# Altium PCB PCB_v2.PcbDoc (part 2 of 8) (continued)
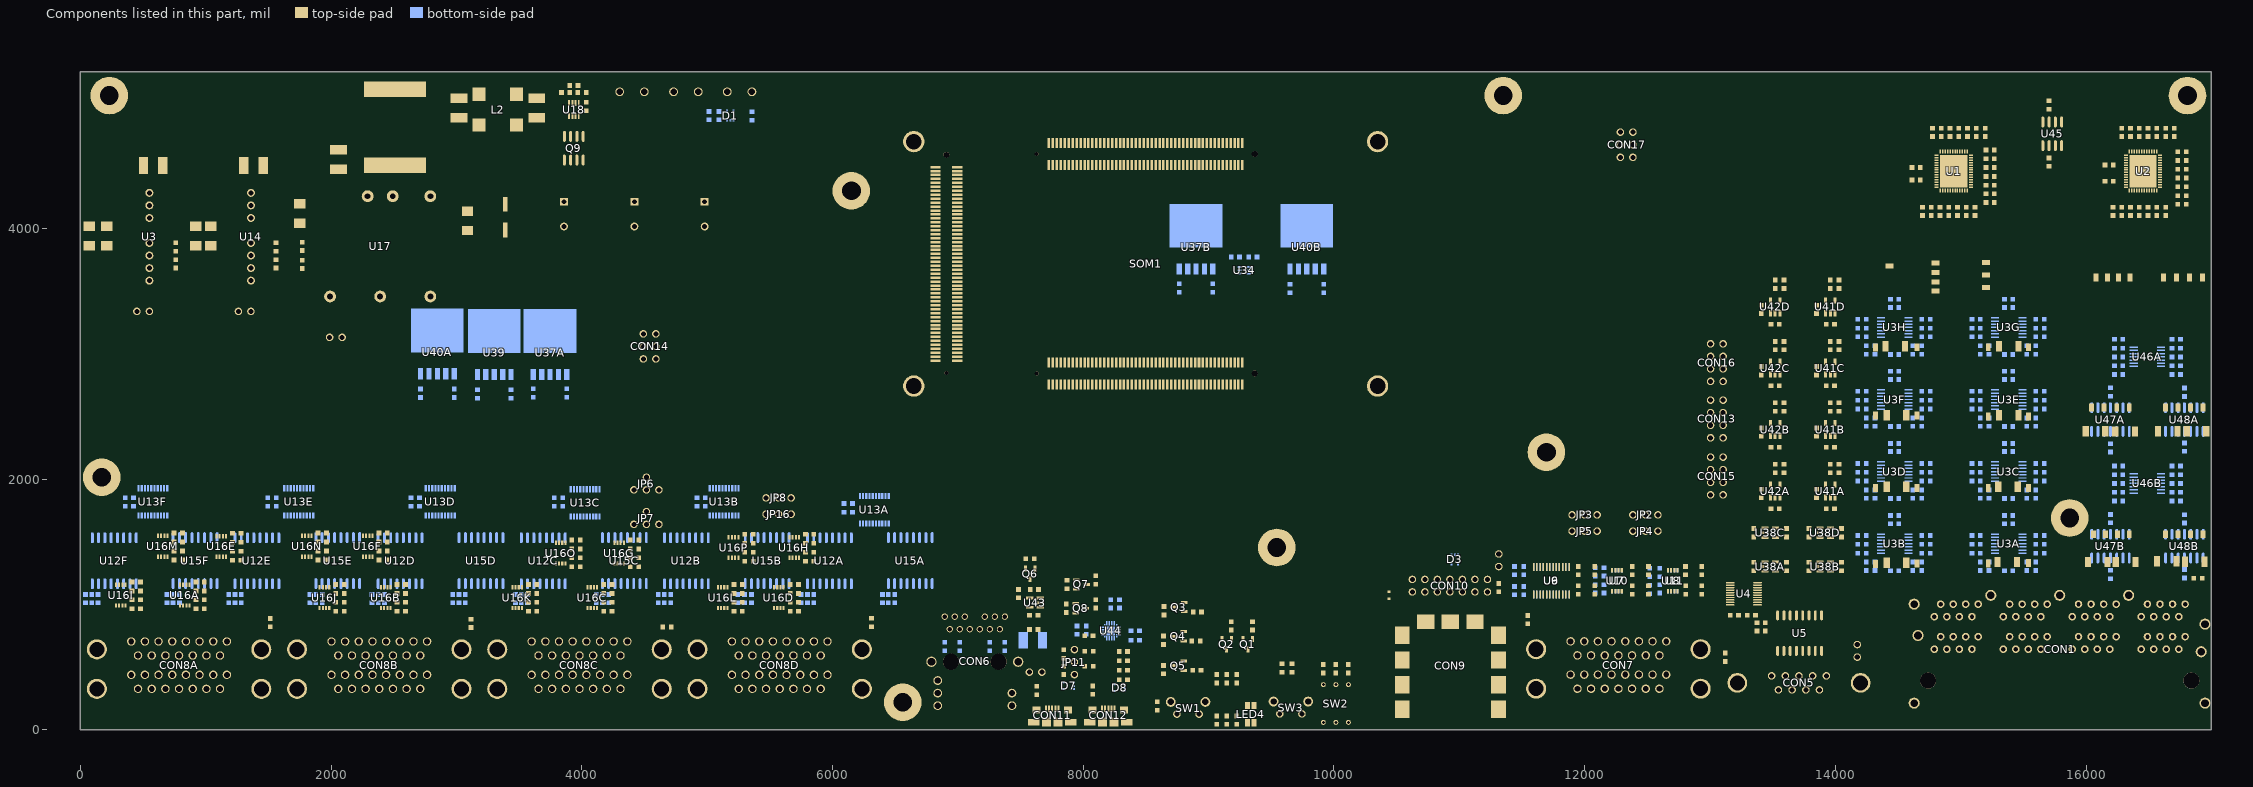
[diagram p4: the components of this part, seen from the top]
## Part data (continued)
CON11 CON12: "CONN RCPT MICRO USB TYPE AB", Colour=Grey, Contact Current Rating=1.8A, Current Rating=1A, Manufacturer="TE Connectivity", Max Operating Temperature=85°C, Min Operating Temperature=-30°C, Package Quantity=1000, Supplier Part Number 1=A97799TR-ND, Voltage Rating=30V, Circuit Application=Power, ComponentLink1Description=https://datasheet.ciiva.com/851/eng-cd-1981584-d1-851065.pdf, ComponentLink1URL=https://datasheet.ciiva.com/851/eng-cd-1981584-d1-851065.pdf, ComponentLink2Description=https://datasheet.ciiva.com/16668/eng-cs-1654270-2-0807-16668551.pdf, ComponentLink2URL=https://datasheet.ciiva.com/16668/eng-cs-1654270-2-0807-16668551.pdf, ComponentLink3Description=https://datasheet.ciiva.com/16312/1981584-1-16312312.pdf, ComponentLink3URL=https://datasheet.ciiva.com/16312/1981584-1-16312312.pdf, ComponentLink4Description=https://datasheet.ciiva.com/30225/eng-cs-1654270-2-0807-30225288.pdf, ComponentLink4URL=https://datasheet.ciiva.com/30225/eng-cs-1654270-2-0807-30225288.pdf, ComponentLink5Description=https://datasheet.ciiva.com/11731/0900766b80d7c578-11731289.pdf, ComponentLink5URL=https://datasheet.ciiva.com/11731/0900766b80d7c578-11731289.pdf, ComponentLink6Description=https://datasheet.ciiva.com/851/eng-cd-1981584-d2-851067.pdf, ComponentLink6URL=https://datasheet.ciiva.com/851/eng-cd-1981584-d2-851067.pdf, ComponentLink7Description=https://datasheet.ciiva.com/3094/eng-cs-1654270-2-0807-3094860.pdf, ComponentLink7URL=https://datasheet.ciiva.com/3094/eng-cs-1654270-2-0807-3094860.pdf, ComponentLink8Description=https://datasheet.ciiva.com/1098/1650952-1098190.pdf, ComponentLink8URL=https://datasheet.ciiva.com/1098/1650952-1098190.pdf, Connector System=Cable-to-Board, Connector Type=Receptacle, Contact Material="Copper,Gold,Copper Alloy", Contact Plating=Gold, Depth=5.6mm, ELV=Compliant, Gender=Receptacle, Housing Colour=Grey, Housing Material=Thermoplastic, Lead Free="Lead Free", Length=8.8mm, Manufacturer Part Number=1981584-1, Material="Stainless Steel", Mount="Surface Mount,Horizontal", Number of Contacts=5, Number of Ports=1, Number of Positions=5, Number of Terminals=5, Orientation="Right Angle", Packaging="Tape and Reel", Pitch=0.025inch, Plating=Nickel,Tin, Pricing 2="1=1.8, 10=1.636, 25=1.5364, 50=1.4694, 100=1.4026, 250=1.26904, 500=1.16886 (USD)", Radiation Hardening=No, REACH SVHC="No SVHC", Supplier 1=Digi-Key, Supplier 2=Digi-Key, Supplier Part Number 2=A97799DKR-ND, Termination=SMD/SMT, USB Standard="USB 2.0"
  CON11: Stock 2=5645
  CON12: Stock 2=4943
CON13 CON15 CON16: Colour=Black, Current Rating=3A, Insulation Resistance=5GR, Manufacturer="Amphenol FCI", Manufacturer Part Number=67996-408HLF, Max Operating Temperature=125°C, Max Voltage Rating (AC)=1.5kV, Min Operating Temperature=-65°C, Package Quantity=100, Supplier Part Number 1=609-3391-ND, ComponentLink1Description=https://datasheet.ciiva.com/16726/67996-16726282.pdf, ComponentLink1URL=https://datasheet.ciiva.com/16726/67996-16726282.pdf, ComponentLink2Description=https://datasheet.ciiva.com/720/67996-720731.pdf, ComponentLink2URL=https://datasheet.ciiva.com/720/67996-720731.pdf, Connector Type="Male Pin", Contact Gender=Male, Contact Material=Bronze, Contact Mating Length=0.23inch, Contact Plating=Tin, Depth=4.83mm, Gender=Male, Housing Colour=Black, Housing Material=Thermoplastic, Lead Free="Lead Free", Length=10.16mm, Mating Post Length=5.84mm, Mount="Through Hole", Number of Contacts=8, Number of Positions=8, Number of Rows=2, Orientation=Straight, Packaging=Bulk, Pitch=2.54mm, Pricing 1="1=0.34, 10=0.323, 100=0.2264, 500=0.19404, 1000=0.1617, 5000=0.1386, 10000=0.12936 (USD)", Radiation Hardening=No, Row Spacing=0.1inch, Stock 1=2766, Supplier 1=Digi-Key, Termination=Solder, Termination Post Length=2.41mm, Voltage Rating=1.5kV
CON14 CON17: Colour=Black, Current Rating=3A, Insulation Resistance=5GR, Manufacturer="Amphenol FCI", Manufacturer Part Number=67996-406HLF, Max Operating Temperature=125°C, Max Voltage Rating (AC)=1.5kV, Min Operating Temperature=-65°C, Package Quantity=100, Supplier Part Number 1=609-3218-ND, ComponentLink1Description=https://datasheet.ciiva.com/14639/70236872-14639895.pdf, ComponentLink1URL=https://datasheet.ciiva.com/14639/70236872-14639895.pdf, ComponentLink2Description=https://datasheet.ciiva.com/16726/67996-16726281.pdf, ComponentLink2URL=https://datasheet.ciiva.com/16726/67996-16726281.pdf, ComponentLink3Description=https://datasheet.ciiva.com/3205/67996-3205613.pdf, ComponentLink3URL=https://datasheet.ciiva.com/3205/67996-3205613.pdf, ComponentLink4Description=https://datasheet.ciiva.com/46393/1876884-46393070.pdf, ComponentLink4URL=https://datasheet.ciiva.com/46393/1876884-46393070.pdf, ComponentLink5Description=https://datasheet.ciiva.com/728/67996-728895.pdf, ComponentLink5URL=https://datasheet.ciiva.com/728/67996-728895.pdf, Connector Type="Male Pin", Contact Gender=Male, Contact Material=Bronze, Contact Mating Length=0.23inch, Contact Plating=Tin, Depth=4.83mm, Gender=Male, Housing Colour=Black, Housing Material=Thermoplastic, Length=7.62mm, Mating Post Length=5.84mm, Mount="Through Hole", Number of Contacts=6, Number of Positions=6, Number of Rows=2, Orientation=Straight, Packaging=Bulk, Pitch=2.54mm, Pricing 1="1=0.29, 10=0.271, 100=0.1894, 500=0.16234, 1000=0.13528, 5000=0.11595, 10000=0.10822 (USD)", Radiation Hardening=No, REACH SVHC="No SVHC", Row Spacing=0.1inch, Stock 1=32999, Supplier 1=Digi-Key, Termination=Solder, Termination Post Length=2.41mm, Voltage Rating=1.5kV
D1: "TVS DIODE 5.5V 13V SC70-5", Supplier Part Number 1=F2895TR-ND, Supplier 1=Digi-Key
D2: "DIODE SCHOTTKY 30V 200MA SOD523", Average Rectified Current=200mA, Case/Package=SOD-523-2, Forward Voltage=500mV, Manufacturer="ON Semiconductor", Manufacturer Part Number=RB521S30T1G, Max Forward Surge Current (Ifsm)=1A, Max Operating Temperature=125°C, Max Repetitive Reverse Voltage (Vrrm)=30V, Max Reverse Leakage Current=30uA, Min Operating Temperature=-55°C, Package Quantity=1, Power Dissipation=200mW, Supplier Part Number 1=RB521S30T1GOSTR-ND, ComponentLink1Description=https://datasheet.ciiva.com/915/rb521s30t1-d-915380.pdf, ComponentLink1URL=https://datasheet.ciiva.com/915/rb521s30t1-d-915380.pdf, ComponentLink2Description=https://datasheet.ciiva.com/34302/1188931-34302065.pdf, ComponentLink2URL=https://datasheet.ciiva.com/34302/1188931-34302065.pdf, ComponentLink3Description=https://datasheet.ciiva.com/1243/rb521s30t1-d-1243283.pdf, ComponentLink3URL=https://datasheet.ciiva.com/1243/rb521s30t1-d-1243283.pdf, ComponentLink4Description=https://datasheet.ciiva.com/30479/0900766b8127cb13-30479125.pdf, ComponentLink4URL=https://datasheet.ciiva.com/30479/0900766b8127cb13-30479125.pdf, ComponentLink5Description=https://datasheet.ciiva.com/915/rb521s30t1-d-915382.pdf, ComponentLink5URL=https://datasheet.ciiva.com/915/rb521s30t1-d-915382.pdf, ComponentLink6Description=https://datasheet.ciiva.com/25932/rb521s30t1-d-25932026.pdf, ComponentLink6URL=https://datasheet.ciiva.com/25932/rb521s30t1-d-25932026.pdf, ComponentLink7Description=https://datasheet.ciiva.com/16474/rb521s30t1-d-16474254.pdf, ComponentLink7URL=https://datasheet.ciiva.com/16474/rb521s30t1-d-16474254.pdf, ComponentLink8Description=https://datasheet.ciiva.com/16221/rb521s30t1-d-16221823.pdf, ComponentLink8URL=https://datasheet.ciiva.com/16221/rb521s30t1-d-16221823.pdf, Contact Plating=Tin,Matte, Current Rating=200mA, Element Configuration=Single, Forward Current=200mA, Height=0.7mm, Lead Free="Lead Free", Length=1.3mm, Max Reverse Voltage (DC)=30V, Max Surge Current=1A, Number of Pins=2, Output Current=200mA, Packaging="Tape and Reel", Peak Non-Repetitive Surge Current=1A, Peak Reverse Current=30uA, Polarity=Standard, Pricing 2="1=0.2, 10=0.18, 100=0.098, 500=0.0603, 1000=0.04112 (USD)", Radiation Hardening=No, REACH SVHC="No SVHC", Stock 2=0, Supplier 1=Digi-Key, Supplier 2=Digi-Key, Supplier Part Number 2=RB521S30T1GOSDKR-ND, Voltage Rating (DC)=30V, Width=0.9mm
D3: "TVS DIODE 5.5V 13V SC70-5", Breakdown Voltage=5.5V, Capacitance=8pF, Case/Package=SC, Clamping Voltage=13V, Leakage Current=500nA, Manufacturer=Littelfuse, Max Operating Temperature=85°C, Max Surge Current=2A, Min Breakdown Voltage=7V, Min Operating Temperature=-40°C, Package Quantity=3000, Power Line Protection=No, Supplier Part Number 1=F2895DKR-ND, ComponentLink1Description=https://datasheet.ciiva.com/4510/littelfuse-spa-sp1001-0x-63620-4510770.pdf, ComponentLink1URL=https://datasheet.ciiva.com/4510/littelfuse-spa-sp1001-0x-63620-4510770.pdf, ComponentLink2Description=https://datasheet.ciiva.com/331/littelfuse-tvs-diode-array-sp1001-datasheet-pdf-331764.pdf, ComponentLink2URL=https://datasheet.ciiva.com/331/littelfuse-tvs-diode-array-sp1001-datasheet-pdf-331764.pdf, ComponentLink3Description=https://datasheet.ciiva.com/331/littelfuse-tvs-diode-array-sp1001-datasheet-pdf-331765.pdf, ComponentLink3URL=https://datasheet.ciiva.com/331/littelfuse-tvs-diode-array-sp1001-datasheet-pdf-331765.pdf, ComponentLink4Description=https://datasheet.ciiva.com/331/littelfuse-tvs-diode-array-sp1001-datasheet-pdf-331766.pdf, ComponentLink4URL=https://datasheet.ciiva.com/331/littelfuse-tvs-diode-array-sp1001-datasheet-pdf-331766.pdf, ComponentLink5Description=https://datasheet.ciiva.com/1268/littelfuse-spa-sp1001-0x-1268334.pdf, ComponentLink5URL=https://datasheet.ciiva.com/1268/littelfuse-spa-sp1001-0x-1268334.pdf, Composition=Zener, Depth=1.35mm, Direction=Unidirectional, Lead Free="Lead Free", Length=2.25mm, Manufacturer Part Number=SP1001-04JTG, Mount="Surface Mount", Number of Channels=4, Number of Pins=5, Number of Unidirectional Channels=4, Operating Supply Voltage=5.5V, Packaging="Tape and Reel", Peak Pulse Current=2A, Polarity=Unidirectional, Pricing 1="1=0.62, 10=0.519, 25=0.4544, 100=0.3893, 250=0.33744, 500=0.28552, 1000=0.22063 (USD)", Radiation Hardening=No, REACH SVHC=Unknown, Reverse Standoff Voltage=5.5V, Stock 1=26646, Supplier 1=Digi-Key, Termination=SMD/SMT, Working Voltage=5.5V
D4A D4B D4C D4D D4E D4F D4G D4H D5A D5B D6A D6B D9A D9B D10A D10B: "TVS DIODE 22V 35.5V SMA", Breakdown Voltage=26.9V, Case/Package=SMA, Clamping Voltage=35.5V, Leakage Current=5uA, Manufacturer=Bourns, Manufacturer Part Number=SMAJ22CA, Max Operating Temperature=150°C, Max Surge Current=40A, Min Breakdown Voltage=24.4V, Min Operating Temperature=-55°C, Operating Supply Voltage=3.5V, Package Quantity=1, Peak Pulse Current=11.2A, Peak Pulse Power=400W, Power Line Protection=No, Reverse Standoff Voltage=22V, Supplier Part Number 1=SMAJ22CABDKR-ND, Test Current=1mA, ComponentLink1Description=https://datasheet.ciiva.com/333/smaj-333520.pdf, ComponentLink1URL=https://datasheet.ciiva.com/333/smaj-333520.pdf, ComponentLink2Description=https://datasheet.ciiva.com/3022/smaj-3022225.pdf, ComponentLink2URL=https://datasheet.ciiva.com/3022/smaj-3022225.pdf, ComponentLink3Description=https://datasheet.ciiva.com/17413/smaj-17413512.pdf, ComponentLink3URL=https://datasheet.ciiva.com/17413/smaj-17413512.pdf, ComponentLink4Description=https://datasheet.ciiva.com/4509/smaj-74970-4509930.pdf, ComponentLink4URL=https://datasheet.ciiva.com/4509/smaj-74970-4509930.pdf, ComponentLink5Description=https://datasheet.ciiva.com/333/smaj-333518.pdf, ComponentLink5URL=https://datasheet.ciiva.com/333/smaj-333518.pdf, ComponentLink6Description=https://datasheet.ciiva.com/333/smaj-333519.pdf, ComponentLink6URL=https://datasheet.ciiva.com/333/smaj-333519.pdf, ComponentLink7Description=https://datasheet.ciiva.com/3022/smaj-3022227.pdf, ComponentLink7URL=https://datasheet.ciiva.com/3022/smaj-3022227.pdf, ComponentLink8Description=https://datasheet.ciiva.com/3022/smaj-3022228.pdf, ComponentLink8URL=https://datasheet.ciiva.com/3022/smaj-3022228.pdf, ComponentLink9Description=https://datasheet.ciiva.com/334/smaj-334501.pdf, ComponentLink9URL=https://datasheet.ciiva.com/334/smaj-334501.pdf, ComponentLink10Description=https://datasheet.ciiva.com/334/smaj-334502.pdf, ComponentLink10URL=https://datasheet.ciiva.com/334/smaj-334502.pdf, ComponentLink11Description=https://datasheet.ciiva.com/334/smaj-334503.pdf, ComponentLink11URL=https://datasheet.ciiva.com/334/smaj-334503.pdf, Composition=Zener, Direction=Bidirectional, Element Configuration=Single, Max Reverse Leakage Current=5uA, Mount="Surface Mount", Number of Bidirectional Channels=1, Number of Channels=1, Number of Elements=1, Number of Pins=2, Packaging="Tape and Reel", Polarity=Bidirectional, Pricing 1="1=0.45, 10=0.353, 25=0.2976, 100=0.2421, 250=0.2006, 500=0.16602, 1000=0.12451, 2500=0.11414 (USD)", Radiation Hardening=No, Reverse Breakdown Voltage=24.4V, Stock 1=24429, Supplier 1=Digi-Key, Termination=SMD/SMT
D7 D8: "TVS DIODE 5.5V 13V SC70-5", Breakdown Voltage=5.5V, Capacitance=8pF, Case/Package=SC, Clamping Voltage=13V, Leakage Current=500nA, Manufacturer=Littelfuse, Max Operating Temperature=85°C, Max Surge Current=2A, Min Breakdown Voltage=7V, Min Operating Temperature=-40°C, Package Quantity=3000, Power Line Protection=No, Supplier Part Number 1=F2895TR-ND, ComponentLink1Description=https://datasheet.ciiva.com/4510/littelfuse-spa-sp1001-0x-63620-4510770.pdf, ComponentLink1URL=https://datasheet.ciiva.com/4510/littelfuse-spa-sp1001-0x-63620-4510770.pdf, ComponentLink2Description=https://datasheet.ciiva.com/331/littelfuse-tvs-diode-array-sp1001-datasheet-pdf-331764.pdf, ComponentLink2URL=https://datasheet.ciiva.com/331/littelfuse-tvs-diode-array-sp1001-datasheet-pdf-331764.pdf, ComponentLink3Description=https://datasheet.ciiva.com/331/littelfuse-tvs-diode-array-sp1001-datasheet-pdf-331765.pdf, ComponentLink3URL=https://datasheet.ciiva.com/331/littelfuse-tvs-diode-array-sp1001-datasheet-pdf-331765.pdf, ComponentLink4Description=https://datasheet.ciiva.com/331/littelfuse-tvs-diode-array-sp1001-datasheet-pdf-331766.pdf, ComponentLink4URL=https://datasheet.ciiva.com/331/littelfuse-tvs-diode-array-sp1001-datasheet-pdf-331766.pdf, ComponentLink5Description=https://datasheet.ciiva.com/1268/littelfuse-spa-sp1001-0x-1268334.pdf, ComponentLink5URL=https://datasheet.ciiva.com/1268/littelfuse-spa-sp1001-0x-1268334.pdf, Composition=Zener, Depth=1.35mm, Direction=Unidirectional, Lead Free="Lead Free", Length=2.25mm, Manufacturer Part Number=SP1001-04JTG, Mount="Surface Mount", Number of Channels=4, Number of Pins=5, Number of Unidirectional Channels=4, Operating Supply Voltage=5.5V, Packaging="Tape and Reel", Peak Pulse Current=2A, Polarity=Unidirectional, Pricing 2="1=0.62, 10=0.519, 25=0.4544, 100=0.3893, 250=0.33744, 500=0.28552, 1000=0.22063 (USD)", Radiation Hardening=No, REACH SVHC=Unknown, Reverse Standoff Voltage=5.5V, Stock 2=26646, Supplier 1=Digi-Key, Supplier 2=Digi-Key, Supplier Part Number 2=F2895DKR-ND, Termination=SMD/SMT, Working Voltage=5.5V
JP1 JP9 JP10 JP12 JP13 JP14: Colour=Black, Current Rating=3A, Manufacturer="Wurth Electronics", Manufacturer Part Number=61300211121, Max Operating Temperature=125°C, Min Operating Temperature=-40°C, Supplier Part Number 1=732-5315-ND, Voltage Rating=250V, ComponentLink1Description=https://datasheet.ciiva.com/13619/6130xx11121-48870-13619345.pdf, ComponentLink1URL=https://datasheet.ciiva.com/13619/6130xx11121-48870-13619345.pdf, Connector Type="Male Pin", Contact Gender=Male, Contact Material="Copper,Copper Alloy", Contact Mating Length=0.236inch, Contact Plating=Gold, Gender=Male, Housing Material=PBT, Lead Free="Lead Free", Mount="Through Hole", Number of Contacts=2, Number of Positions=2, Number of Rows=1, Packaging=Bulk, Pitch=0.1inch, Pricing 1="1=0.13, 10=0.106, 25=0.088, 50=0.074, 100=0.067, 1000=0.061 (USD)", REACH SVHC=Unknown, Stock 1=95042, Supplier 1=Digi-Key, Termination="Through Hole"
JP2 JP3 JP4 JP5 JP8 JP11 JP16: Colour=Black, Manufacturer="Wurth Electronics", Manufacturer Part Number=61300311121, Supplier Part Number 1=732-5316-ND, ComponentLink1Description=http://www.farnell.com/cad/1737268.pdf, ComponentLink1URL=http://www.farnell.com/cad/1737268.pdf, ComponentLink2Description=http://katalog.we-online.de/em/datasheet/6130xx11121.pdf, ComponentLink2URL=http://katalog.we-online.de/em/datasheet/6130xx11121.pdf, Connector Type="Male Pin", Contact Material=Copper, Contact Mating Length=0.236inch, Contact Plating=Gold, Gender=Male, Lead Free="Lead Free", Mount="Through Hole", Number of Contacts=3, Number of Positions=3, Number of Rows=1, Packaging=Bulk, Pitch=0.1inch, Pricing 1="1=0.13, 10=0.106, 25=0.088, 50=0.074, 100=0.067, 1000=0.061 (USD)", REACH SVHC=Unknown, Stock 1=65953, Supplier 1=Digi-Key, Termination=Solder
L1: "FIXED IND 100UH 5.3A 118 MOHM", Case/Package=Nonstandard, Current Rating=5.3A, DC Resistance (DCR)=118mR, Inductance=100uh, Inductance Tolerance=20%, Manufacturer=Bourns, Manufacturer Part Number=SRP1770TA-101M, Max Operating Temperature=150°C, Min Operating Temperature=-40°C, Saturation Current=6.5A, Self Resonant Frequency=2MHz, Supplier Part Number 1=SRP1770TA-101MDKR-ND, Test Frequency=100kHz, ComponentLink1Description=http://www.farnell.com/datasheets/1955470.pdf, ComponentLink1URL=http://www.farnell.com/datasheets/1955470.pdf, ComponentLink2Description=http://www.bourns.com/docs/Product-Datasheets/SRP1770TA.pdf, ComponentLink2URL=http://www.bourns.com/docs/Product-Datasheets/SRP1770TA.pdf, Composition=Wirewound, Core Material="Carbonyl Powder", Height - Seated (Max)=0.276inch, Length=0.666inch, Mount="Surface Mount", Packaging="Cut Tape", Pricing 1="1=4.1, 10=3.755, 100=2.4581 (USD)", REACH SVHC="No SVHC", RMS Current (Irms)=5.3A, Shielding=Shielded, Stock 1=2524, Supplier 1=Digi-Key, Tolerance=20%, Width=0.666inch
L2: "CMC 450UH 6.5A 2LN TH", Case/Package=SMD/SMT, Current=3.5A, DC Resistance (DCR)=11mR, Inductance=9uh, Inductance Tolerance=25%, Manufacturer="Wurth Electronics", Manufacturer Part Number=744273801, Max Operating Temperature=125°C, Min Operating Temperature=-40°C, Package Quantity=1000, Supplier Part Number 1=732-2215-6-ND, Test Frequency=100kHz, Voltage Rating (DC)=80V, ComponentLink1Description=https://datasheet.ciiva.com/6215/744273801-6215152.pdf, ComponentLink1URL=https://datasheet.ciiva.com/6215/744273801-6215152.pdf, ComponentLink2Description=https://datasheet.ciiva.com/6048/1735681-6048514.pdf, ComponentLink2URL=https://datasheet.ciiva.com/6048/1735681-6048514.pdf, ComponentLink3Description=https://datasheet.ciiva.com/6215/744273801-6215157.pdf, ComponentLink3URL=https://datasheet.ciiva.com/6215/744273801-6215157.pdf, ComponentLink4Description=https://datasheet.ciiva.com/7764/1735681-7764966.pdf, ComponentLink4URL=https://datasheet.ciiva.com/7764/1735681-7764966.pdf, ComponentLink5Description=https://datasheet.ciiva.com/11800/0900766b80f886be-11800844.pdf, ComponentLink5URL=https://datasheet.ciiva.com/11800/0900766b80f886be-11800844.pdf, ComponentLink6Description=https://datasheet.ciiva.com/14123/744273801-eng-tds-14123645.pdf, ComponentLink6URL=https://datasheet.ciiva.com/14123/744273801-eng-tds-14123645.pdf, ComponentLink7Description=https://datasheet.ciiva.com/4952/744273801-77788-4952319.pdf, ComponentLink7URL=https://datasheet.ciiva.com/4952/744273801-77788-4952319.pdf, ComponentLink8Description=https://datasheet.ciiva.com/48690/001087412-da-01-ml-we-sl5-hc-stromk-smd-lin-fil-74427-de-en-48690507.pdf, ComponentLink8URL=https://datasheet.ciiva.com/48690/001087412-da-01-ml-we-sl5-hc-stromk-smd-lin-fil-74427-de-en-48690507.pdf, Core Material=Ferrite, Current Rating=3.5A, Depth=8.3mm, Height=5.3mm, Impedance=800R, Length=9.5mm, Max DC Current=3.5A, Mount="Surface Mount", Number of Lines=2, Number of Pins=4, Packaging="Tape and Reel", Pricing 1="1=3.37, 10=3.125, 50=2.822, 100=2.722, 500=2.52 (USD)", REACH SVHC="No SVHC", Resistance=11mR, Series Resistance=11mR, Stock 1=3927, Supplier 1=Digi-Key, Termination=SMD/SMT, Tolerance=25%, Width=8.3mm
LED1 LED5: Case/Package=0603, Case Code (Metric)=1608, Colour=Yellow, Forward Current=30mA, Forward Voltage=2.4V, Lens Colour=Clear,Colorless, Manufacturer="Vishay Lite-On", Manufacturer Part Number=LTST-C191KSKT, Max Operating Temperature=85°C, Min Operating Temperature=-55°C, Package Quantity=1, Power Dissipation=75mW, Reverse Voltage=5V, Supplier Part Number 1=160-1448-6-ND, Test Current=20mA, Case Code (Imperial)=0603, ComponentLink1Description=https://datasheet.ciiva.com/2109/s-110-ltst-c191kskt-2109984.pdf, ComponentLink1URL=https://datasheet.ciiva.com/2109/s-110-ltst-c191kskt-2109984.pdf, ComponentLink2Description=https://datasheet.ciiva.com/15117/getdatasheetpartid-141495-15117732.pdf, ComponentLink2URL=https://datasheet.ciiva.com/15117/getdatasheetpartid-141495-15117732.pdf, ComponentLink3Description=https://datasheet.ciiva.com/11773/0900766b80dc02b3-11773512.pdf, ComponentLink3URL=https://datasheet.ciiva.com/11773/0900766b80dc02b3-11773512.pdf, ComponentLink4Description=https://datasheet.ciiva.com/12400/lite-on-ltst-c191kskt-190097-12400797.pdf, ComponentLink4URL=https://datasheet.ciiva.com/12400/lite-on-ltst-c191kskt-190097-12400797.pdf, ComponentLink5Description=https://datasheet.ciiva.com/16213/lite-on20ltst-c191kskt-16213725.pdf, ComponentLink5URL=https://datasheet.ciiva.com/16213/lite-on20ltst-c191kskt-16213725.pdf, Depth=0.8mm, Dominant Wavelength=597nm, Height=0.55mm, Illumination Colour=Yellow, Lead Free="Lead Free", Length=1.6mm, Lens Style=Clear,Diffused,Colorless,Rectangular, Lens Transparency=Clear, Luminous Intensity=180mcd, Mount="Surface Mount", Number of Elements=1, Number of LEDs=1, Number of Pins=2, Packaging="Tape and Reel", Power Rating=75mW, Pricing 1="1=0.31, 10=0.225, 25=0.1656, 100=0.1183, 250=0.0804, 500=0.07096, 1000=0.05558, 2500=0.0544 (USD)", Radiation Hardening=No, Supplier 1=Digi-Key, Viewing Angle=130°, Wavelength=588nm, Width=0.8mm
  LED1: Stock 1=772234
  LED5: Stock 1=766197
LED2: Case/Package=0603, Case Code (Metric)=1608, Colour=Red, Current=2A, Forward Current=30mA, Forward Voltage=2V, Lens Colour=Colorless, Manufacturer="Vishay Lite-On", Manufacturer Part Number=LTST-C191KRKT, Max Operating Temperature=85°C, Min Operating Temperature=-55°C, Package Quantity=1, Power Dissipation=75mW, Reverse Voltage=5V, Supplier Part Number 1=160-1447-6-ND, Test Current=20mA, Case Code (Imperial)=0603, ComponentLink1Description=https://datasheet.ciiva.com/11773/0900766b80dc02b2-11773601.pdf, ComponentLink1URL=https://datasheet.ciiva.com/11773/0900766b80dc02b2-11773601.pdf, ComponentLink2Description=https://datasheet.ciiva.com/2109/s-110-ltst-c191krkt-2109970.pdf, ComponentLink2URL=https://datasheet.ciiva.com/2109/s-110-ltst-c191krkt-2109970.pdf, ComponentLink3Description=https://datasheet.ciiva.com/2109/s-110-ltst-c191krkt-2109971.pdf, ComponentLink3URL=https://datasheet.ciiva.com/2109/s-110-ltst-c191krkt-2109971.pdf, ComponentLink4Description=https://datasheet.ciiva.com/16212/ltst-c191krkt-16212419.pdf, ComponentLink4URL=https://datasheet.ciiva.com/16212/ltst-c191krkt-16212419.pdf, ComponentLink5Description=https://datasheet.ciiva.com/2109/s-110-ltst-c191krkt-2109972.pdf, ComponentLink5URL=https://datasheet.ciiva.com/2109/s-110-ltst-c191krkt-2109972.pdf, ComponentLink6Description=https://datasheet.ciiva.com/15117/getdatasheetpartid-141922-15117737.pdf, ComponentLink6URL=https://datasheet.ciiva.com/15117/getdatasheetpartid-141922-15117737.pdf, ComponentLink7Description=https://datasheet.ciiva.com/12400/lite-on-ltst-c191krkt-190135-12400910.pdf, ComponentLink7URL=https://datasheet.ciiva.com/12400/lite-on-ltst-c191krkt-190135-12400910.pdf, Depth=0.8mm, Dominant Wavelength=631nm, Height=0.55mm, Illumination Colour=Red, Lead Free="Lead Free", Length=1.6mm, Lens Style=Clear,Diffused,Colorless,Rectangular, Lens Transparency=Clear, Luminous Intensity=54mcd, Mount="Surface Mount", Number of Elements=1, Number of LEDs=1, Number of Pins=2, Packaging="Tape and Reel", Power Rating=75mW, Pricing 1="1=0.29, 10=0.211, 25=0.1556, 100=0.1111, 250=0.07556, 500=0.06666, 1000=0.05222, 2500=0.05111 (USD)", Radiation Hardening=No, Stock 1=1409900, Supplier 1=Digi-Key, Viewing Angle=130°, Voltage=2V, Wavelength=639nm, Width=0.8mm
LED3: Case/Package=0603, Case Code (Metric)=1608, Colour=Green, Forward Current=30mA, Forward Voltage=2V, Lens Colour=Clear,Colorless, Manufacturer="Vishay Lite-On", Manufacturer Part Number=LTST-C191KGKT, Max Operating Temperature=85°C, Min Operating Temperature=-55°C, Package Quantity=1, Power Dissipation=75mW, Reverse Voltage=5V, Supplier Part Number 1=160-1446-6-ND, Test Current=20mA, Case Code (Imperial)=0603, ComponentLink1Description=https://datasheet.ciiva.com/12400/100-ltst-c191kgkt-53586-12400818.pdf, ComponentLink1URL=https://datasheet.ciiva.com/12400/100-ltst-c191kgkt-53586-12400818.pdf, ComponentLink2Description=https://datasheet.ciiva.com/2109/s-110-ltst-c191kgkt-2109973.pdf, ComponentLink2URL=https://datasheet.ciiva.com/2109/s-110-ltst-c191kgkt-2109973.pdf, ComponentLink3Description=https://datasheet.ciiva.com/2109/s-110-ltst-c191kgkt-2109974.pdf, ComponentLink3URL=https://datasheet.ciiva.com/2109/s-110-ltst-c191kgkt-2109974.pdf, ComponentLink4Description=https://datasheet.ciiva.com/2109/s-110-ltst-c191kgkt-2109975.pdf, ComponentLink4URL=https://datasheet.ciiva.com/2109/s-110-ltst-c191kgkt-2109975.pdf, ComponentLink5Description=https://datasheet.ciiva.com/15223/getdatasheetpartid-103913-15223276.pdf, ComponentLink5URL=https://datasheet.ciiva.com/15223/getdatasheetpartid-103913-15223276.pdf, ComponentLink6Description=https://datasheet.ciiva.com/11773/0900766b80dc02b1-11773629.pdf, ComponentLink6URL=https://datasheet.ciiva.com/11773/0900766b80dc02b1-11773629.pdf, ComponentLink7Description=https://datasheet.ciiva.com/16215/ltst-c191kgkt-16215151.pdf, ComponentLink7URL=https://datasheet.ciiva.com/16215/ltst-c191kgkt-16215151.pdf, Depth=0.8mm, Dominant Wavelength=571nm, Height=0.55mm, Illumination Colour=Green, Lead Free="Lead Free", Length=1.6mm, Lens Style=Clear,Diffused,Colorless,Rectangular, Lens Transparency=Clear, Luminous Intensity=35mcd, Mount="Surface Mount", Number of Elements=1, Number of LEDs=1, Number of Pins=2, Packaging="Tape and Reel", Power Rating=75mW, Pricing 1="1=0.29, 10=0.211, 25=0.1556, 100=0.1111, 250=0.07556, 500=0.06666, 1000=0.05222, 2500=0.05111 (USD)", Radiation Hardening=No, Stock 1=1738206, Supplier 1=Digi-Key, Viewing Angle=130°, Wavelength=574nm, Width=0.8mm
LED4: Supplier Part Number 1=492-1243-2-ND, Supplier 1=Digi-Key
LED6: Case/Package=0603, Case Code (Metric)=1608, Colour=Green, Forward Current=30mA, Forward Voltage=2V, Lens Colour=Clear,Colorless, Manufacturer="Vishay Lite-On", Manufacturer Part Number=LTST-C191KGKT, Max Operating Temperature=85°C, Min Operating Temperature=-55°C, Package Quantity=1, Power Dissipation=75mW, Reverse Voltage=5V, Supplier Part Number 1=160-1446-2-ND, Test Current=20mA, Case Code (Imperial)=0603, ComponentLink1Description=https://datasheet.ciiva.com/12400/100-ltst-c191kgkt-53586-12400818.pdf, ComponentLink1URL=https://datasheet.ciiva.com/12400/100-ltst-c191kgkt-53586-12400818.pdf, ComponentLink2Description=https://datasheet.ciiva.com/2109/s-110-ltst-c191kgkt-2109973.pdf, ComponentLink2URL=https://datasheet.ciiva.com/2109/s-110-ltst-c191kgkt-2109973.pdf, ComponentLink3Description=https://datasheet.ciiva.com/2109/s-110-ltst-c191kgkt-2109974.pdf, ComponentLink3URL=https://datasheet.ciiva.com/2109/s-110-ltst-c191kgkt-2109974.pdf, ComponentLink4Description=https://datasheet.ciiva.com/2109/s-110-ltst-c191kgkt-2109975.pdf, ComponentLink4URL=https://datasheet.ciiva.com/2109/s-110-ltst-c191kgkt-2109975.pdf, ComponentLink5Description=https://datasheet.ciiva.com/15223/getdatasheetpartid-103913-15223276.pdf, ComponentLink5URL=https://datasheet.ciiva.com/15223/getdatasheetpartid-103913-15223276.pdf, ComponentLink6Description=https://datasheet.ciiva.com/11773/0900766b80dc02b1-11773629.pdf, ComponentLink6URL=https://datasheet.ciiva.com/11773/0900766b80dc02b1-11773629.pdf, ComponentLink7Description=https://datasheet.ciiva.com/16215/ltst-c191kgkt-16215151.pdf, ComponentLink7URL=https://datasheet.ciiva.com/16215/ltst-c191kgkt-16215151.pdf, Depth=0.8mm, Dominant Wavelength=571nm, Height=0.55mm, Illumination Colour=Green, Lead Free="Lead Free", Length=1.6mm, Lens Style=Clear,Diffused,Colorless,Rectangular, Lens Transparency=Clear, Luminous Intensity=35mcd, Mount="Surface Mount", Number of Elements=1, Number of LEDs=1, Number of Pins=2, Packaging="Tape and Reel", Power Rating=75mW, Pricing 1="5000=0.0404, 10000=0.03636, 25000=0.03232, 50000=0.02929, 125000=0.02727 (USD)", Radiation Hardening=No, Stock 1=1715000, Supplier 1=Digi-Key, Viewing Angle=130°, Wavelength=574nm, Width=0.8mm
LED7: Case/Package=0603, Case Code (Metric)=1608, Colour=Blue, Current=5A, Forward Current=20mA, Forward Voltage=2.8V, Lens Colour=Colorless, Manufacturer="Vishay Lite-On", Manufacturer Part Number=LTST-C191TBKT-5A, Max Operating Temperature=80°C, Min Operating Temperature=-20°C, Package Quantity=5000, Supplier Part Number 1=160-2212-6-ND, Test Current=5mA, Voltage=29V, Case Code (Imperial)=0603, ComponentLink1Description=http://optoelectronics.liteon.com/upload/download/DS22-2003-020/LTST-C191TBKT-5A.pdf, ComponentLink1URL=http://optoelectronics.liteon.com/upload/download/DS22-2003-020/LTST-C191TBKT-5A.pdf, ComponentLink2Description=http://components.arrow.com/part/dataview/52218576S9813001N1331, ComponentLink2URL=http://components.arrow.com/part/dataview/52218576S9813001N1331, ComponentLink3Description=http://optoelectronics.liteon.com/zh-cn/api/DwonloadFileHandler.ashx?txtSpecNo=DS22-2003-020&txtPartNo=LTST-C191TBKT-5A, ComponentLink3URL=http://optoelectronics.liteon.com/zh-cn/api/DwonloadFileHandler.ashx?txtSpecNo=DS22-2003-020&txtPartNo=LTST-C191TBKT-5A, ComponentLink4Description=http://www.mouser.com/ds/2/239/LTST-C191TBKT-5A-1150649.pdf, ComponentLink4URL=http://www.mouser.com/ds/2/239/LTST-C191TBKT-5A-1150649.pdf, Dominant Wavelength=473nm, Height=0.55mm, Illumination Colour=Blue, Length=1.6mm, Lens Style=Diffused,Colorless,Rectangular, Lens Transparency=Clear, Luminous Intensity=15mcd, Mount="Surface Mount", Number of LEDs=1, Number of Pins=2, Packaging="Tape and Reel", Pricing 1="1=0.52, 10=0.376, 25=0.2884, 100=0.1881, 250=0.13796, 500=0.11704, 1000=0.09614, 2500=0.0836 (USD)", Radiation Hardening=No, Stock 1=16340, Supplier 1=Digi-Key, Viewing Angle=130°, Width=0.8mm
MH1 MH2 MH3 MH4 MH5 MH6 MH7 MH8 MH9: "MOUNTING HOLE"
Q1 Q3 Q4 Q5: Case/Package=SOT-23, Continuous Drain Current (ID)=310mA, Drain to Source Breakdown Voltage=60V, Drain to Source Resistance=2R, Gate to Source Voltage (Vgs)=20V, Input Capacitance=22pF, Manufacturer=Diodes, Manufacturer Part Number=DMN65D8L-7, Max Operating Temperature=150°C, Max Power Dissipation=370mW, Min Operating Temperature=-55°C, Package Quantity=1, Power Dissipation=540mW, Supplier Part Number 1=DMN65D8L-7DIDKR-ND, Threshold Voltage=2V, ComponentLink1Description=https://datasheet.ciiva.com/6371/dmn65d8l-6371124.pdf, ComponentLink1URL=https://datasheet.ciiva.com/6371/dmn65d8l-6371124.pdf, ComponentLink2Description=https://datasheet.ciiva.com/6371/dmn65d8l-6371126.pdf, ComponentLink2URL=https://datasheet.ciiva.com/6371/dmn65d8l-6371126.pdf, ComponentLink3Description=https://datasheet.ciiva.com/13058/dmn65d8l-219098-13058455.pdf, ComponentLink3URL=https://datasheet.ciiva.com/13058/dmn65d8l-219098-13058455.pdf, ComponentLink4Description=https://datasheet.ciiva.com/6371/dmn65d8l-6371128.pdf, ComponentLink4URL=https://datasheet.ciiva.com/6371/dmn65d8l-6371128.pdf, Drain to Source Voltage (Vdss)=60V, Element Configuration=Single, FET Type="1 N-Channel", Height=1.1mm, Lead Free="Lead Free", Length=3mm, Mount="Surface Mount", Number of Channels=1, Number of Elements=1, Number of Pins=3, Packaging="Tape and Reel", Pricing 1="1=0.2, 10=0.179, 100=0.1173, 500=0.05732, 1000=0.03909 (USD)", Rds On Max=3R, REACH SVHC="No SVHC", Rise Time=2.8ns, Stock 1=373533, Supplier 1=Digi-Key, Turn-Off Delay Time=12.6ns, Turn-On Delay Time=2.7ns, Weight=0.000282oz, Width=1.4mm